# Altium PCB DI544.PcbDoc (part 5 of 7)
Units mil, origin at the board's own origin, x right, y up, seen from the top; angles counter-clockwise.
Board outline 8666.42 x 9192.01 mil, 4 copper layers (Top Layer, Mid-Layer 1, Mid-Layer 2, Bottom Layer), stack 35.6 mil thick; 830 components, 583 nets, 2837 pads, 1326 vias.
Unrouted connection lines stored in the file: 629.
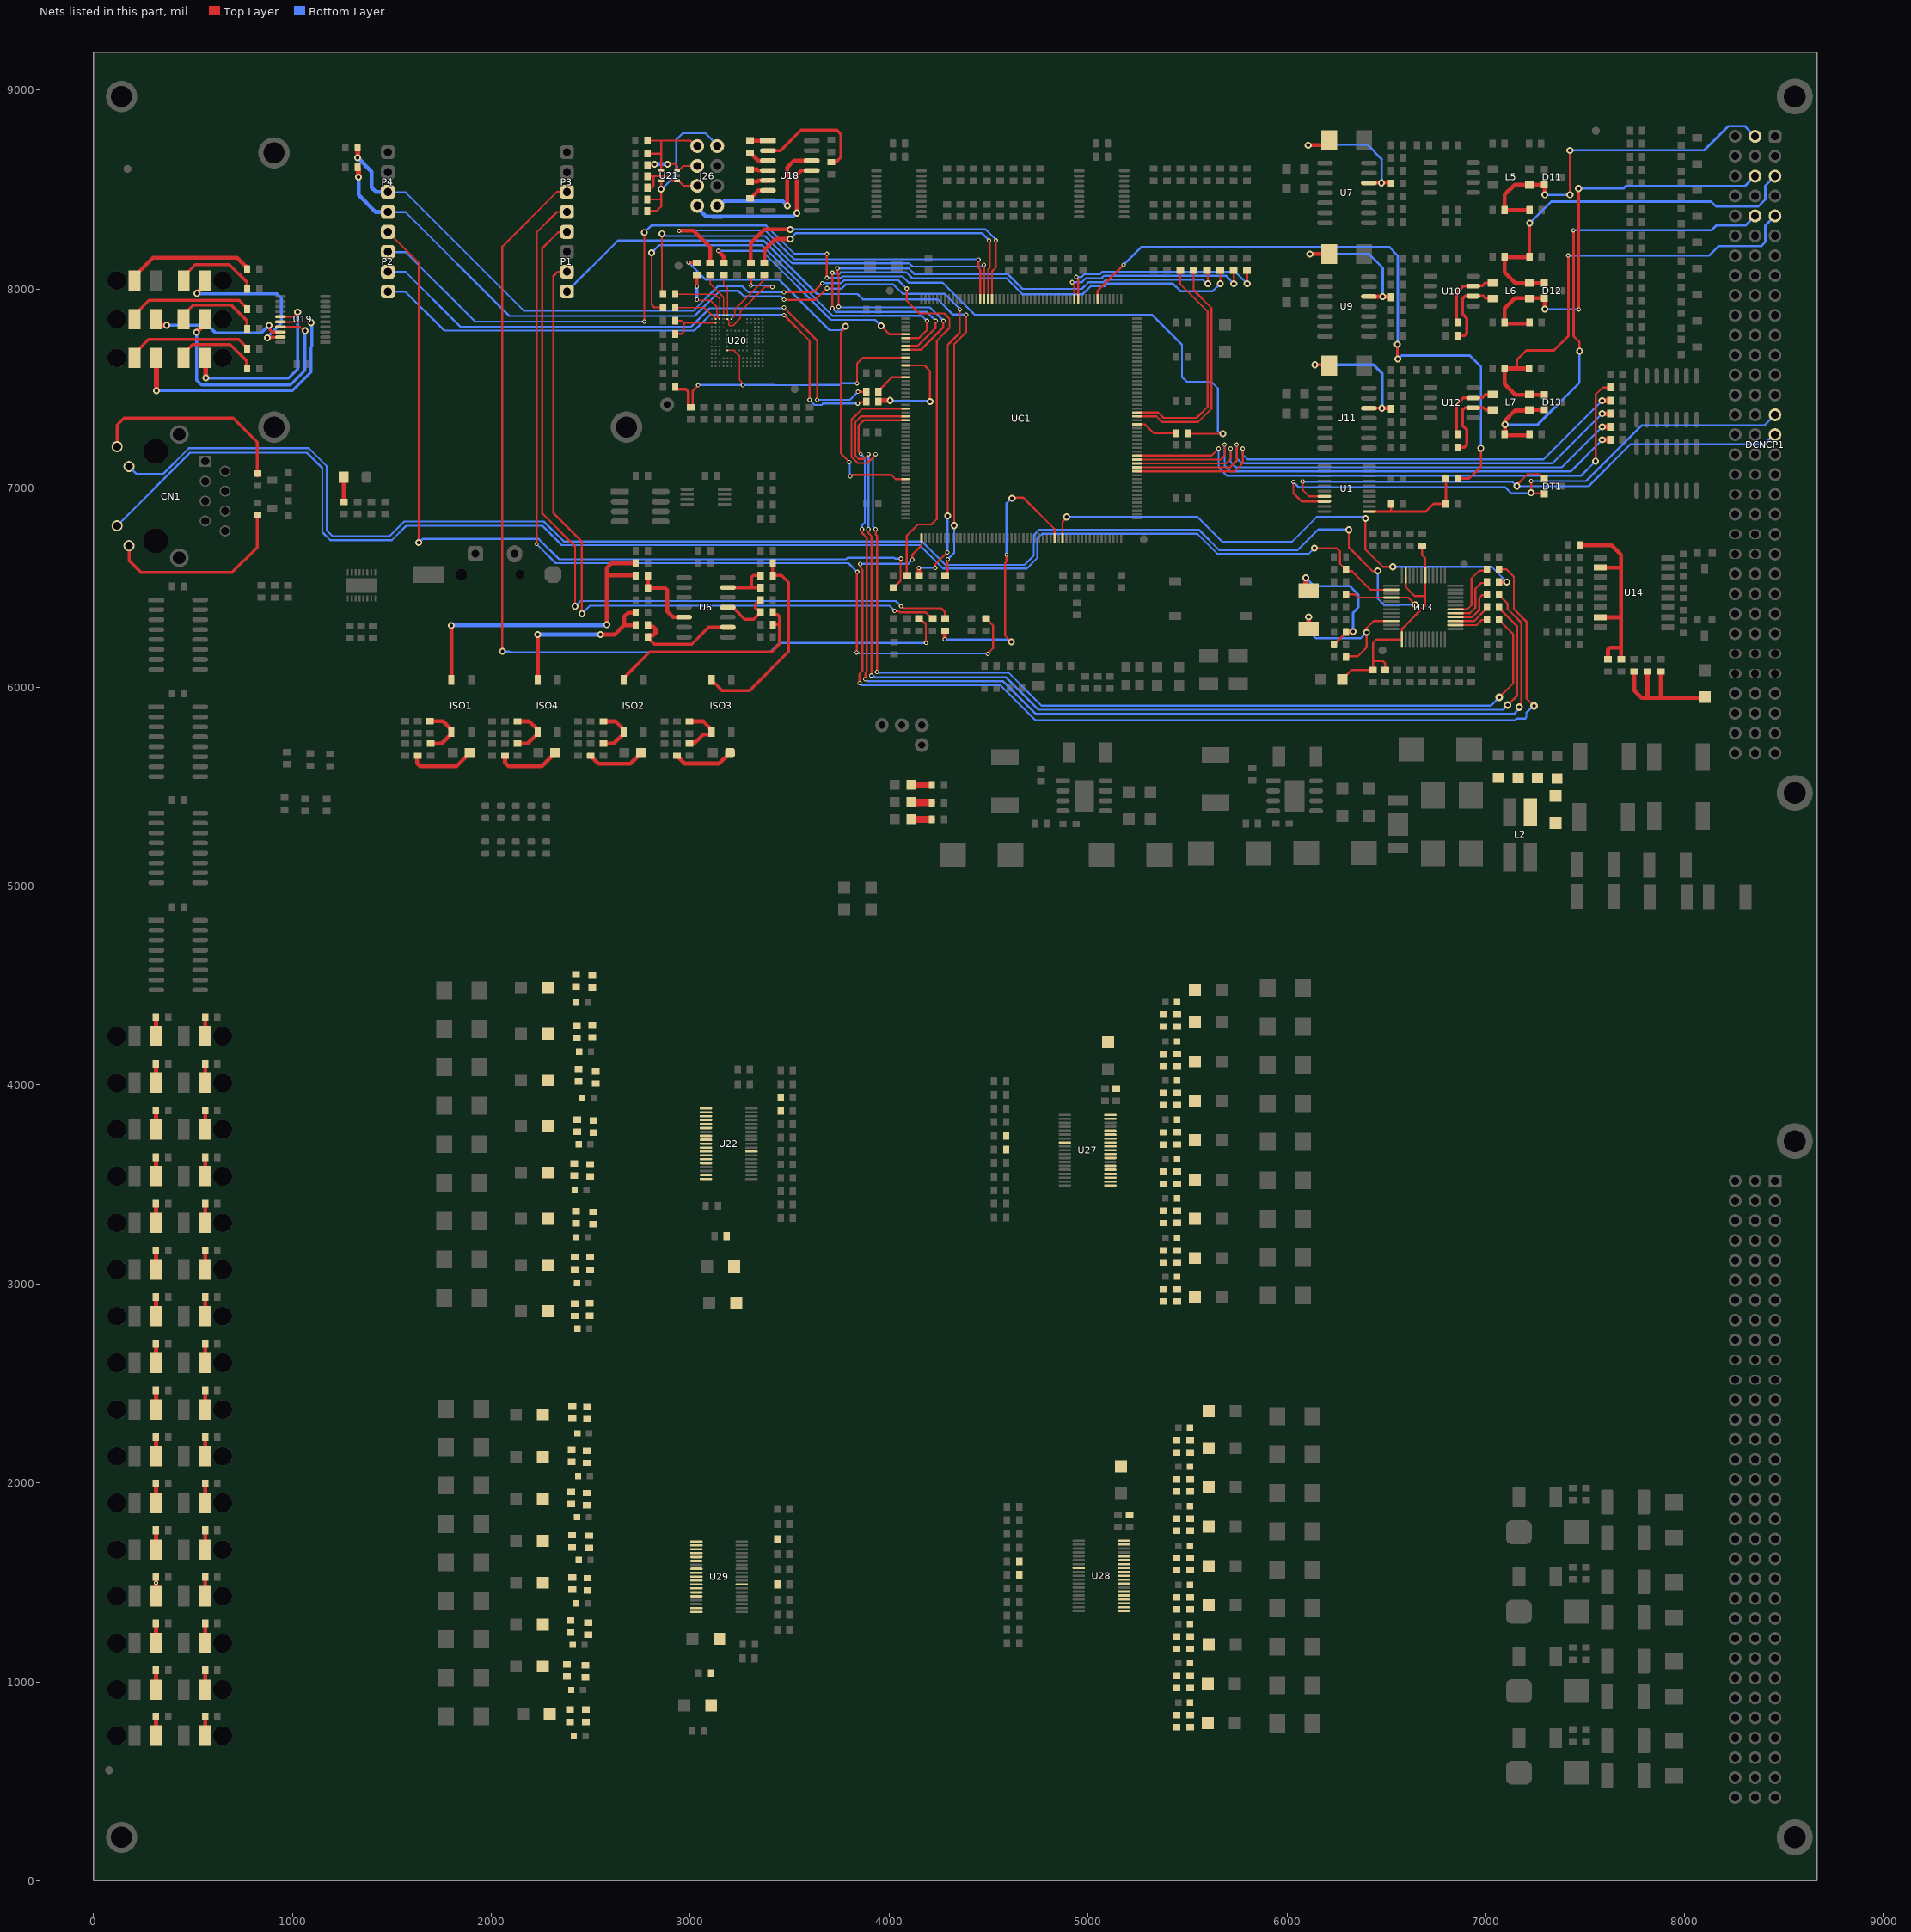
[diagram p7: the nets of this part, all layers, seen from the top]

## Via types
v1: diameter 22, hole 12, Top Layer to Bottom Layer, tented both sides, 440 vias
v2: diameter 32, hole 18, Top Layer to Bottom Layer, tented both sides, 418 vias
v3: diameter 35, hole 18, Top Layer to Bottom Layer, tented both sides, 380 vias
v4: diameter 20, hole 12, Top Layer to Bottom Layer, tented both sides, 52 vias
v5: diameter 24, hole 12, Top Layer to Bottom Layer, tented both sides, 8 vias
v6: diameter 38, hole 18, Top Layer to Bottom Layer, tented both sides, 6 vias
v7: diameter 30, hole 20, Top Layer to Bottom Layer, 4 vias
v8: diameter 39.37, hole 19.68, Top Layer to Bottom Layer, 4 vias
v9: diameter 62.99, hole 31.5, Top Layer to Bottom Layer, tented both sides, 4 vias
v10: diameter 35, hole 19, Top Layer to Bottom Layer, tented both sides, 4 vias
v11: diameter 21, hole 12, Top Layer to Bottom Layer, tented both sides, 3 vias
v12: diameter 35, hole 12, Top Layer to Bottom Layer, tented both sides, 1 vias
v13: diameter 22.01, hole 12, Top Layer to Bottom Layer, tented both sides, 1 vias
v14: diameter 35, hole 22, Top Layer to Bottom Layer, tented both sides, 1 vias

## Nets (pads, with @x,y where several pads share a name; then routed paths per layer and width w, separated by ;. In a path a pad name is that pad's centre, name@x,y a point inside that pad or via, vN(x,y) a via of type N, cw(c..) or ccw(c..) an arc to the next point about the centre after c; other vN are vias at no path point) (continued)
NetC65_1: C65.1 D11.2 DCNCP1.B1 L5.3 R79.1 | length 1839.2
  Top Layer w11.81: v3@7423,8469 v3(7423,8698)
  Top Layer w20: R79.1@7220,8398 C65.1@7095,8398 7095,8475 7146,8526 D11.2@7294.5,8526 7296,8524.5 v3@7296,8468
  Bottom Layer w11.81: v3(7296,8473.92) v3(7423,8473.92) ; v3(7423,8698) 8097,8698 8218.19,8819.19 8303.09,8819.19 DCNCP1.B1@8353.78,8768.5
NetC67_2: C67.2 U7.5 X_C1.2 | length 749.7
  Top Layer w11.81: C67.2@6520.33,8534 C67.2@6524,8530.33
  Top Layer w15: U7.5@6412,8534 6477,8534 C67.2@6520.33,8534
  Top Layer w20: v3(6107,8724.05) 6189.46,8724.05 X_C1.2@6213.5,8748.08
  Bottom Layer w11.81: v3@6107,8727 6403.91,8727 6476,8654.91 v3(6476,8534)
NetC68_2: C68.2 L6.1 U10.7 | length 354.5
  Top Layer w15: C68.2@6860,7832 6853,7839 6853,7982 6886.38,8015.38 U10.7@6936.5,8015.38 6939.02,8017.9 6983.9,8017.9 6997.74,8031.74 L6.1@7033.99,8031.74
NetC69_2: C69.2 D12.1 DCNCP1.A3 L6.4 R82.2 | length 1981.8
  Top Layer w12: R82.2@7219,8163 R82.2@7219.74,8163.74 ; v3@7219.74,8330.96 v3(7220.47,8331.69)
  Top Layer w15: R82.2@7219.74,8163.74 v3@7219.74,8330.96
  Top Layer w20: R82.2@7218,8161 7095,8161 7095,8084 7149,8030 D12.1@7294.5,8030
  Bottom Layer w12: v3(7220.47,8331.69) 7328.78,8440 8133,8440 8156.02,8416.98 8370.82,8416.98 8405.3,8451.46 8405.3,8520.02 DCNCP1.A3@8453.78,8568.5
NetC70_1: C70.1 L6.2 U10.6 | length 395.4
  Top Layer w15: C70.1@6860,7766 6892,7766 6905,7779 6905,7854 6881.81,7877.19 6881.81,7951.35 6895.36,7964.9 6935.86,7964.9 U10.6@6936.41,7965.46 ; U10.6@6936.5,7965.38 6988.62,7965.38 7000,7954 7032.99,7954 L6.2@7033.99,7953
NetC71_1: C71.1 D12.2 DCNCP1.B3 L6.3 R87.1 | length 2171.7
  Top Layer w12: v3(7466,8506) 7467,8505 7467,7899.61 v1(7467.98,7898.62)
  Top Layer w20: R87.1@7220,7827 7095,7827 C71.1@7095,7832 7095,7904 7146,7955 7221,7955 D12.2@7294.5,7955 7295.38,7954.12 7295.38,7900.49 v3(7296.26,7899.61)
  Bottom Layer w12: v3(7296.26,7899.61) 7296.75,7899.11 7467.49,7899.11 v1(7467.98,7898.62) ; v3@7467,8506 7692,8506 7705,8519 8304.28,8519 DCNCP1.B3@8353.78,8568.5
NetC73_2: C73.2 U9.5 X_C2.2 | length 753.5
  Top Layer w11.81: X_C2.2@6212.42,8176 X_C2.2@6213.5,8177.08 ; U9.5@6412,7963 U9.5@6412.5,7962.5 ; v3@6481.5,7962.5 v3(6482,7962) ; C73.2@6521.42,7962 C73.2@6524,7959.42
  Top Layer w20: v3(6115.53,8177.13) 6211.29,8177.13 X_C2.2@6212.42,8176 ; U9.5@6412.5,7962.5 v3@6481.5,7962.5 ; v3(6482,7962) C73.2@6521.42,7962
  Bottom Layer w11.81: v3@6115.57,8177.17 6412.83,8177.17 6482,8108 v3(6482,7962)
NetC74_2: C74.2 L7.1 U12.7 | length 355.3
  Top Layer w15: C74.2@6860,7271 6852,7279 6852,7420 6886.38,7454.38 U12.7@6936.5,7454.38 6939.02,7456.9 6983.9,7456.9 6997.74,7470.74 L7.1@7033.99,7470.74
NetC75_2: C75.2 D13.1 DCNCP1.A5 L7.4 R90.2 | length 2348.9
  Top Layer w12: 7157.48,7602 7157.48,7646.48 7203,7692 7342.59,7692 7415.5,7764.91 7415.5,8167.97 v1(7414.17,8169.29)
  Top Layer w20: C75.2@7095,7600 7095,7523 7149,7469 D13.1@7294.5,7469 ; C75.2@7095,7602 7157.48,7602 R90.2@7218,7602
  Bottom Layer w12: v1(7414.17,8169.29) 8123.29,8169.29 8170.98,8216.98 8384.98,8216.98 8405.3,8237.3 8405.3,8320.02 DCNCP1.A5@8453.78,8368.5
NetC76_1: C76.1 L7.2 U12.6 | length 395.4
  Top Layer w15: C76.1@6860,7205 6892,7205 6905,7218 6905,7293 6881.81,7316.19 6881.81,7390.35 6895.36,7403.9 6935.86,7403.9 U12.6@6936.41,7404.46 ; U12.6@6936.5,7404.38 6988.62,7404.38 7000,7393 7032.99,7393 L7.2@7033.99,7392
NetC77_1: C77.1 D13.2 DCNCP1.B5 L7.3 R95.1 | length 2597.4
  Top Layer w11.81: v1(7440,8296) v1@7440.09,8295.91 ; v1@7441.08,8295.91 7441.08,7763.65 7471,7733.72 v3@7471,7689.73
  Top Layer w20: C77.1@7095,7266 R95.1@7220,7266 ; C77.1@7095,7271 7096.46,7272.46 7096.46,7339.57 7146.71,7389.82 7218.82,7389.82 L7.3@7221,7392 ; L7.3@7222,7393 7293.5,7393 D13.2@7294.5,7394
  Bottom Layer w11.81: v3(7096.46,7319.88) 7260.83,7319.88 7471,7530.06 v3@7471,7690 ; v1(7440,8296) 8134,8296 8158.12,8320.12 8305.39,8320.12 DCNCP1.B5@8353.78,8368.5
  other v3: 7471,7688.98
NetC79_2: C79.2 U11.5 X_C3.2 | length 720
  Top Layer w11.81: C79.2@6520.33,7402 C79.2@6524,7398.33
  Top Layer w15: v3(6139.76,7620.08) 6209.42,7620.08 X_C3.2@6213.5,7616 ; U11.5@6412,7402 v3@6483,7402
  Top Layer w20: v3@6483,7402 C79.2@6520.33,7402
  Bottom Layer w15: v3(6139.76,7620.08) 6434.92,7620.08 6478,7577 v3(6478,7402)
NetC85_2: C85.2 R122.1 Y4.2 | length 695.9
  Top Layer w12: R122.1@6236.23,6213.62 6236.23,6217.12 6246.23,6227.12 6249.73,6227.12 6284.71,6262.1 6287.23,6262.1 6297.23,6272.1 C85.2@6297.23,6275.6 ; C85.2@6297.23,6277.27 C85.2@6298.15,6278.18 ; v3@6331.74,6278.18 v3(6332.66,6279.09)
  Top Layer w20: Y4.2@6095.47,6497.07 Y4.2@6109.25,6483.3
  Top Layer w25: Y4.2@6095.47,6497.07 v3@6095.47,6550.2 ; C85.2@6298.15,6278.18 v3@6331.74,6278.18
  Bottom Layer w12: v3@6095.47,6550.2 6138.75,6506.92 6317.89,6506.92 6359.25,6465.55 6359.25,6399.96 6332.68,6373.38 v3(6332.66,6279.09)
  other v3: 6095.47,6549.21
NetC86_1: C86.1 U13.34 Y4.1 | length 772.6
  Top Layer w10: C86.1@6297.23,6151.64 6300.73,6155.14 6355.93,6155.14 6400.59,6199.8 6400.59,6297.24 6434.99,6331.64 U13.34@6489.06,6331.64
  Top Layer w25: Y4.1@6109.25,6292.3 v3(6109.25,6352.36)
  Bottom Layer w10: v3(6109.25,6352.36) 6109.25,6281.5 6144.68,6246.06 6371.06,6246.06 v3(6400.59,6275.59)
NetC87_2: C87.2 C88.2 C89.2 C90.1 U13.18 U13.23 U13.37 | length 1264.2
  Top Layer w10: C90.1@6279.38,6038.78 6299.97,6059.37 6299.97,6061.38 6324.11,6085.51 C87.2@6432.39,6085.48 ; C87.2@6433.07,6086.16 6433.07,6129.96 ; C89.2@6494.29,6085.48 6494.29,6119.92 6484.25,6129.96 6433.07,6129.96 ; U13.37@6577.51,6239.25 6449.85,6239.25 6433.07,6222.48 6433.07,6129.96 ; U13.37@6577.55,6239.22 6577.89,6239.56 6577.89,6283.87 6578.61,6284.59 6578.61,6293.61 6695.66,6410.66 6695.66,6457.7 ; U13.23@6597.23,6562.05 6597.23,6502.51 6642.05,6457.7 6695.66,6457.7 ; C88.2@6680.01,6710.48 6680.01,6662.55 6695.66,6646.9 U13.18@6695.66,6562.05 6695.66,6457.7
NetC91_2: C91.2 C92.2 R172.1 U14.2 U14.7 | length 1085.1
  Top Layer w20: C92.2@7473.25,6712.74 7632.73,6712.74 7680,6665.47 7680,6603 ; U14.7@7574.46,6350.84 7675.16,6350.84 7680,6346 ; U14.2@7574.46,6600.84 7677.84,6600.84 7680,6603 ; R172.1@7613.95,6139.46 7613.95,6187.28 7625.66,6199 7680,6199 ; C91.2@7680.21,6139.46 7680,6139.66 7680,6199 ; 7680,6199 7680,6346 ; 7680,6346 7680,6603
NetC98_1: C98.1 U18.3 | length 109.3
  Top Layer w20: C98.1@3300.48,8686.51 3303.98,8686.51 3309.98,8680.51 3309.98,8677.01 3340.48,8646.51 U18.3@3391.19,8646.51
NetC98_2: C98.2 U18.1 | length 89.7
  Top Layer w20: C98.2@3301.48,8746.51 U18.1@3391.19,8746.51
NetC100_1: C100.1 U18.5 | length 93.4
  Top Layer w20: C100.1@3300.48,8541.01 3300.92,8540.58 3338.26,8540.58 3344,8546.31 3390.99,8546.31 U18.5@3391.19,8546.51
NetC100_2: C100.2 U18.4 | length 93
  Top Layer w20: C100.2@3300.48,8602.01 3336,8602.01 3341.5,8596.51 U18.4@3391.19,8596.51
NetC101_2: C101.2 U18.2 | length 593.8
  Top Layer w15: U18.2@3391.19,8696.51 3454.46,8696.51 3557.48,8799.53 3737.48,8799.53 3758.48,8778.53 3758.48,8663.53 3733.96,8639.01 C101.2@3708.48,8639.01
NetC102_2: C102.2 U18.6 | length 107.3
  Top Layer w20: C102.2@3300.48,8456.51 3303.98,8456.51 3343.89,8496.42 3391.1,8496.42 U18.6@3391.19,8496.51
NetC104_2: C104.2 R161.2 U20.K5 UC1.167 | length 1671.1
  Top Layer w5.91: U20.K5@3187.29,7692.91 3218.09,7692.91 3247.81,7663.19 3247.81,7544.19 3250.41,7541.59 3253.87,7538.13 3265,7523.92 v1(3265,7517.92)
  Top Layer w10: R161.2@3003.47,7406.12 3013.17,7415.82 3013.17,7489.55 v1(3040.35,7516.73) ; v1(3838.97,7527) 3838.97,7626.97 3867.85,7655.85 UC1.167@4084.48,7655.85
  Top Layer w15: C104.2@2925,7509.01 2925,7505.51 2933.5,7497.01 2978.39,7497.01 2991.47,7483.92 2991.47,7414.62 2999.97,7406.12 R161.2@3003.47,7406.12
  Bottom Layer w10: v1(3040.35,7516.73) 3041.54,7517.92 v1(3265,7517.92) ; v1@3267.3,7520.22 3268.25,7520.22 3270.54,7517.92 3423.67,7517.92 3423.71,7517.88 3608.1,7517.88 3608.14,7517.92 3753.16,7517.92 3762.24,7527 v1@3837,7527
NetC105_2: C105.2 C106.2 U20.C2 | length 313.8
  Top Layer w5.91: C106.2@2925,7840.37 C106.2@2925,7842.16 2925,7842.98 C106.2@2933.5,7851.48 ; 2967.52,7830.71 U20.C2@3128.23,7830.71
  Top Layer w10: C105.2@2925,7775.53 2957.62,7775.53 2967.52,7785.43 2967.52,7830.71 2957.85,7840.37 C106.2@2925,7840.37
NetC117_2: C117.2 R171.1 R173.2 R174.2 | length 732.4
  Top Layer w20: R171.1@7746.46,6078.46 7746.46,5982.54 7783,5946 7813,5946 ; R173.2@7812.72,6078.46 7812.72,5946.28 7813,5946 ; R174.2@7878.98,6078.46 7878.98,5947.98 7877,5946 ; C117.2@8100.39,5949.8 8096.59,5946 7877,5946 ; 7813,5946 7877,5946
NetC118_2: C118.2 R194.1 U6.5 | length 364
  Top Layer w20: R194.1@2787.4,6557.21 2787.4,6499.02 2873.13,6499.02 2884.84,6487.3 2884.84,6379.92 2913.78,6350.98 U6.5@2968.98,6350.98
NetC120_1: C120.1 ISO1.1 R190.1 | length 269.6
  Top Layer w20: R190.1@1692.14,5828.65 1757.09,5828.65 1799.63,5786.11 ISO1.1@1799.63,5776.27 1799.63,5766.42 1749.96,5716.76 1696.83,5716.76 C120.1@1695.83,5715.76
NetC121_2: C121.2 R229.2 U27.27
NetC127_1: C127.1 D9_F.1 R233.1 U27.2
NetC127_2: C127.2 R233.2 R241.2 U27.1
NetC128_1: C128.1 D10_F.1 R234.1 U27.4
NetC128_2: C128.2 R234.2 R242.2 U27.3
NetC129_1: C129.1 D11_F.1 R235.1 U27.6
NetC129_2: C129.2 R235.2 R243.2 U27.5
NetC130_1: C130.1 D12_F.1 R236.1 U27.9
NetC130_2: C130.2 R236.2 R244.2 U27.8
NetC131_1: C131.1 D13_F.1 R237.1 U27.11
NetC131_2: C131.2 R237.2 R245.2 U27.10
NetC132_1: C132.1 D14_F.1 R238.1 U27.13
NetC132_2: C132.2 R238.2 R246.2 U27.12
NetC133_1: C133.1 D15_F.1 R239.1 U27.15
NetC133_2: C133.2 R239.2 R247.2 U27.14
NetC134_1: C134.1 D16_F.1 R240.1 U27.19
NetC134_2: C134.2 R240.2 R248.2 U27.18
NetC139_2: C139.2 R256.2 U28.27
NetC141_1: C141.1 D1_F.1 R260.1 U28.2
NetC141_2: C141.2 R260.2 R268.2 U28.1
NetC142_1: C142.1 D2_F.1 R261.1 U28.4
NetC142_2: C142.2 R261.2 R269.2 U28.3
NetC143_1: C143.1 D3_F.1 R262.1 U28.6
NetC143_2: C143.2 R262.2 R270.2 U28.5
NetC144_1: C144.1 D4_F.1 R263.1 U28.9
NetC144_2: C144.2 R263.2 R271.2 U28.8
NetC145_1: C145.1 D5_F.1 R264.1 U28.11
NetC145_2: C145.2 R264.2 R272.2 U28.10
NetC146_1: C146.1 D6_F.1 R265.1 U28.13
NetC146_2: C146.2 R265.2 R273.2 U28.12
NetC147_1: C147.1 D7_F.1 R266.1 U28.15
NetC147_2: C147.2 R266.2 R274.2 U28.14
NetC148_1: C148.1 D8_F.1 R267.1 U28.19
NetC148_2: C148.2 R267.2 R275.2 U28.18
NetC149_2: C149.2 R210.1 U6.11 | length 298.2
  Top Layer w15: U6.11@3188.98,6400.98 3214.54,6400.98 3221.48,6394.05 3221.48,6393.68 3273.52,6341.63 3320.17,6341.63 3342.33,6363.79 3345.93,6363.79 R210.1@3354.33,6372.19 ; R210.1@3354.43,6375.79 3354.43,6379.29 3345.93,6387.79 3336.3,6387.79 3327.51,6396.58 3327.51,6416.79 3336.3,6425.58 3345.93,6425.58 3354.43,6434.08 C149.2@3354.43,6437.58
NetC151_1: C151.1 ISO2.1 R206.1 | length 261.6
  Top Layer w20: C151.1@2564.3,5715.76 2615.49,5715.76 2666.16,5766.42 ISO2.1@2666.16,5776.27 2666.16,5786.11 2624.62,5827.65 R206.1@2564.3,5827.65
NetC154_2: C154.2 R276.1 U6.13 | length 268.5
  Top Layer w15: U6.13@3188.98,6499.37 3308.07,6499.37 ; C154.2@3354.43,6499.37 3308.07,6499.37 ; R276.1@3354.43,6561.16 3316.86,6561.16 3308.07,6552.38 3308.07,6499.37
NetC156_1: C156.1 ISO3.1 R258.1 | length 278.4
  Top Layer w20: C156.1@2996.7,5715.76 3002.7,5721.76 3025.73,5721.76 3065.47,5761.5 3101.48,5761.5 3107.22,5767.25 3107.22,5786.11 3065.69,5827.65 R258.1@2996.7,5827.65
NetC159_2: C159.2 R284.1 U6.9 | length 556.5
  Top Layer w15: C159.2@2795.7,6238.21 2797.22,6238.21 2819.88,6215.55 3007.87,6215.55 3093.31,6300.98 U6.9@3188.98,6300.98
  Top Layer w20: C159.2@2787.2,6250.21 2793.2,6256.21 2793.2,6259.71 2814.07,6259.71 2825.79,6271.43 2825.79,6292.32 2814.07,6304.04 2793.2,6304.04 2793.2,6306.29 R284.1@2787.2,6312.29
NetC161_1: C161.1 ISO4.1 R282.1 | length 260
  Top Layer w20: C161.1@2132.42,5715.76 2182.62,5715.76 2233.49,5766.63 ISO4.1@2233.49,5776.47 2227.74,5782.22 2227.74,5792.06 2192.16,5827.65 R282.1@2132.42,5827.65
NetC188_2: C188.2 R342.2 U22.27
NetC190_1: C190.1 D20.1 R346.1 U22.2
NetC190_2: C190.2 R346.2 R354.2 U22.1
NetC191_1: C191.1 D21.1 R347.1 U22.4
NetC191_2: C191.2 R347.2 R355.2 U22.3
NetC192_1: C192.1 D22.1 R348.1 U22.6
NetC192_2: C192.2 R348.2 R356.2 U22.5
NetC193_1: C193.1 D31.1 R349.1 U22.9
NetC193_2: C193.2 R349.2 R357.2 U22.8
NetC194_1: C194.1 D32.1 R350.1 U22.11
NetC194_2: C194.2 R350.2 R358.2 U22.10
NetC195_1: C195.1 D33.1 R351.1 U22.13
NetC195_2: C195.2 R351.2 R359.2 U22.12
NetC196_1: C196.1 D34.1 R352.1 U22.15
NetC196_2: C196.2 R352.2 R360.2 U22.14
NetC197_1: C197.1 D35.1 R353.1 U22.19
NetC197_2: C197.2 R353.2 R361.2 U22.18
NetC201_2: C201.2 R369.2 U29.27
NetC204_1: C204.1 D58.1 R370.1 U29.2
NetC204_2: C204.2 R370.2 R378.2 U29.1
NetC205_1: C205.1 D59.1 R371.1 U29.4
NetC205_2: C205.2 R371.2 R379.2 U29.3
NetC206_1: C206.1 D60.1 R372.1 U29.6
NetC206_2: C206.2 R372.2 R380.2 U29.5
NetC207_1: C207.1 D61.1 R373.1 U29.9
NetC207_2: C207.2 R373.2 R381.2 U29.8
NetC208_1: C208.1 D62.1 R374.1 U29.11
NetC208_2: C208.2 R374.2 R382.2 U29.10
NetC209_1: C209.1 D63.1 R375.1 U29.13
NetC209_2: C209.2 R375.2 R383.2 U29.12
NetC210_1: C210.1 D64.1 R376.1 U29.15
NetC210_2: C210.2 R376.2 R384.2 U29.14
NetC211_1: C211.1 D65.1 R377.1 U29.19
NetC211_2: C211.2 R377.2 R385.2 U29.18
NetCN1_9: CN1.9 R103.1 | length 1050.5
  Top Layer w15: CN1.9@118.95,7208.91 119,7318 154,7353 703,7353 824,7232 R103.1@824,7060.21
NetCN1_10: CN1.10 R115.1 U13.28 | length 7911.8
  Top Layer w10: R115.1@6297.23,6465.71 6343.35,6465.71 6359.21,6449.85 U13.28@6524.4,6449.85 6610.19,6449.85 v3(6646.65,6413.39) ; v3(6311.02,6790.32) 6311.02,6702.76 6430.42,6583.36 6456.01,6583.36 v3@6457.68,6581.69
  Bottom Layer w10: CN1.10@178.79,7108.91 182,7105.7 184.93,7102.77 215.7,7072 351,7072 480,7201 1083,7201 1174,7110 1174,6786.63 1202.13,6758.5 1488.82,6758.5 1562.99,6832.68 2264.04,6832.68 2364.84,6731.87 4165.37,6731.87 4283.24,6614 4680.71,6614 4727.04,6660.33 4727.04,6763.46 4754.58,6791 5557.28,6791 5659.28,6689 6054.16,6689 6157.48,6792.32 6309.02,6792.32 v3(6311.02,6790.32) ; v3(6456.69,6583.66) 6456.69,6444.88 6488.19,6413.39 v3(6646.65,6413.39)
NetCN1_11: CN1.11 R118.1 U13.26 | length 7356.3
  Top Layer w10: v3(6138.78,6698.82) 6250,6698.82 6266.73,6682.09 6266.73,6619.5 6297.23,6589 6297.23,6585.5 6300.05,6582.68 6326.77,6582.68 6344,6565.45 ; 6344.49,6564.96 6420.23,6489.22 U13.26@6524.4,6489.22
  Bottom Layer w10: CN1.11@118.95,6810.87 485.97,7177.89 1073.11,7177.89 1151,7100 1151,6778.13 1190.63,6738.5 1500.32,6738.5 1572.83,6811.02 2257.41,6811.02 2354.43,6714 4153.13,6714 4271,6596.13 4692.13,6596.13 4746,6650 4746,6747.97 4769.03,6771 5549,6771 5651,6669 6108.96,6669 v3(6138.78,6698.82)
NetCN1_12: CN1.12 R102.1 | length 960.6
  Top Layer w15: CN1.12@178.79,6710.87 178.79,6636.17 239.17,6575.79 696.85,6575.79 823.5,6702.44 823.5,6865.5 R102.1@824,6866
NetCP1_1: CP1.1 RL1.2 RP1.1
NetCP2_1: CP2.1 RL2.2 RP2.1
NetCP3_1: CP3.1 RL3.2 RP3.1
NetCP4_1: CP4.1 RL4.2 RP4.1
NetD7_K: D7.K D8.K D9.K D10.K F1.1
NetD14_K: D14.K R135.2 | length 122
  Top Layer w20: R135.2@1258.03,6933.07 D14.K@1258.03,7055.06
NetD17_K: D17.K R72.2 | length 102
  Top Layer w35: D17.K@4113.27,5335.34 4113.56,5335.05 R72.2@4215.19,5335.05
NetD51_K: D51.K R304.1 | length 102
  Top Layer w25: D51.K@4113.27,5508.68 D51.K@4113.35,5508.59 ; R304.1@4203,5508.51 R304.1@4215.19,5508.51
  Top Layer w35: D51.K@4113.35,5508.59 4202.92,5508.59 R304.1@4203,5508.51
NetD53_K: D53.K R73.2 | length 102.3
  Top Layer w35: D53.K@4113.27,5421 4113.77,5420.5 4214.69,5420.5 R73.2@4215.19,5420
NetDCNCP1_A15: DCNCP1.A15 DT1.2 U1.18 | length 2943.3
  Top Layer w10: v1@6032,7033 6032,6974.89 6073.44,6933.45 U1.18@6188,6933.45 ; v1(7228,7035.84) 7228,6979 7231.5,6975.5 7291,6975.5 DT1.2@7294.5,6972
  Bottom Layer w10: v1(6032,7032) 6060.22,7003.78 7098.58,7003.78 7128.11,6974.25 v3@7230.25,6974.25 ; v1(7228,7035.84) 7504.35,7035.84 7785.19,7316.69 8401.97,7316.69 DCNCP1.A15@8453.78,7368.5
  other v3: 7228,6976.48
NetDCNCP1_A16: DCNCP1.A16 DT1.1 U1.17 | length 2830.6
  Top Layer w10: v1(6079,7032.89) 6079,6991 6110.96,6959.04 U1.17@6188,6959.04 ; v3(7155.51,7010.83) 7155.51,7015.75 7208.66,7068.9 7272.6,7068.9 DT1.1@7294.5,7047
  Bottom Layer w10: v1(6079,7032.89) 7131.61,7032.89 7153.68,7010.83 v3(7155.51,7010.83) 7156.5,7009.84 7516.73,7009.84 7727.91,7221.02 8401.02,7221.02 8448.5,7268.5 DCNCP1.A16@8453.78,7268.5
NetF1_2: F1.2 L2.1
NetISO1_4: ISO1.4 R181.2 R194.2 | length 1653.5
  Top Layer w20: ISO1.4@1800,6024.56 v3(1800,6310) ; v3(2580.71,6313.09) 2580.71,6560.59 ; R194.2@2726.2,6560.59 2580.71,6560.59 ; R181.2@2726.2,6622.67 2604.95,6622.67 2580.71,6598.43 2580.71,6560.59
  Bottom Layer w20: v3(1800,6310) 1801.55,6311.55 2579.89,6311.55 v3@2580.71,6312.36
NetISO2_4: ISO2.4 R200.2 R210.2 | length 1070.7
  Top Layer w15: ISO2.4@2664.05,6044 ISO2.4@2674.4,6054.36 ; ISO2.4@2674.4,6054.4 2797.17,6177.17 3410.17,6177.17 3448,6215 3448,6314 ; R200.2@3415.43,6314 3448,6314 ; R210.2@3415.43,6375.79 3415.43,6372.29 3423.93,6363.79 3439.21,6363.79 3448,6355 3448,6314
NetISO3_4: ISO3.4 R216.2 R276.2 | length 990.2
  Top Layer w15: ISO3.4@3107.23,6036.27 3160.49,5983 3299,5983 3494,6178 3494,6527 3460.24,6560.76 3414.37,6560.76 R216.2@3414.37,6618.69
NetISO4_4: ISO4.4 R279.2 R284.2 | length 864.1
  Top Layer w15: R284.2@2726.2,6312.29 2726.21,6315.79 R284.2@2734.7,6324.29
  Top Layer w20: ISO4.4@2233.49,6036.47 v3(2233.49,6264.32) ; v3(2549.21,6264.32) 2621.61,6264.32 2669.29,6312 ; R284.2@2726.2,6312.29 2725.92,6312 2669.29,6312 ; R279.2@2726.2,6374.36 2725.86,6374.02 2687.99,6374.02 2669.29,6355.32 2669.29,6312
  Bottom Layer w20: v3(2233.49,6264.32) v3(2549.21,6264.32)
NetJ26_1: J26.1 R165.1 R168.2 U21.4 | length 483.2
  Top Layer w10: R168.2@2784.92,8681.69 2851.96,8681.69 2854.33,8684.06 ; R165.1@2784.92,8747.08 2854.33,8747.08 3000.79,8747.08 3028.19,8719.69 J26.1@3035.83,8719.69 ; U21.4@2854.33,8596.46 2854.33,8684.06 ; 2854.33,8747.05 2854.33,8684.06
NetJ26_2: J26.2 R169.2 R170.2 U21.5 | length 807.5
  Top Layer w10: R170.2@2784.74,8393.47 2832.45,8393.47 2854.33,8415.35 v3(2854.33,8502.95) U21.5@2854.33,8545.28 ; R169.2@2784.74,8451.76 2785.71,8450.79 2853.35,8450.79
  Bottom Layer w10: v3(2854.33,8502.95) 2857.04,8502.95 2931.1,8577.02 2931.1,8751.97 2962.6,8783.46 3077.76,8783.46 3135.83,8725.39 J26.2@3135.83,8719.69
NetJ26_3: J26.3 R167.2 U21.3 | length 289.3
  Top Layer w10: R167.2@2784.92,8624.58 R167.2@2787.31,8626.97 ; v3@2886.83,8629.92 2923.23,8629.92 2935.04,8618.11 U21.3@2935.04,8596.46 2941.93,8596.46 2965.16,8619.69 J26.3@3035.83,8619.69